# KiCad board tc2-panelized.kicad_pcb (continued)
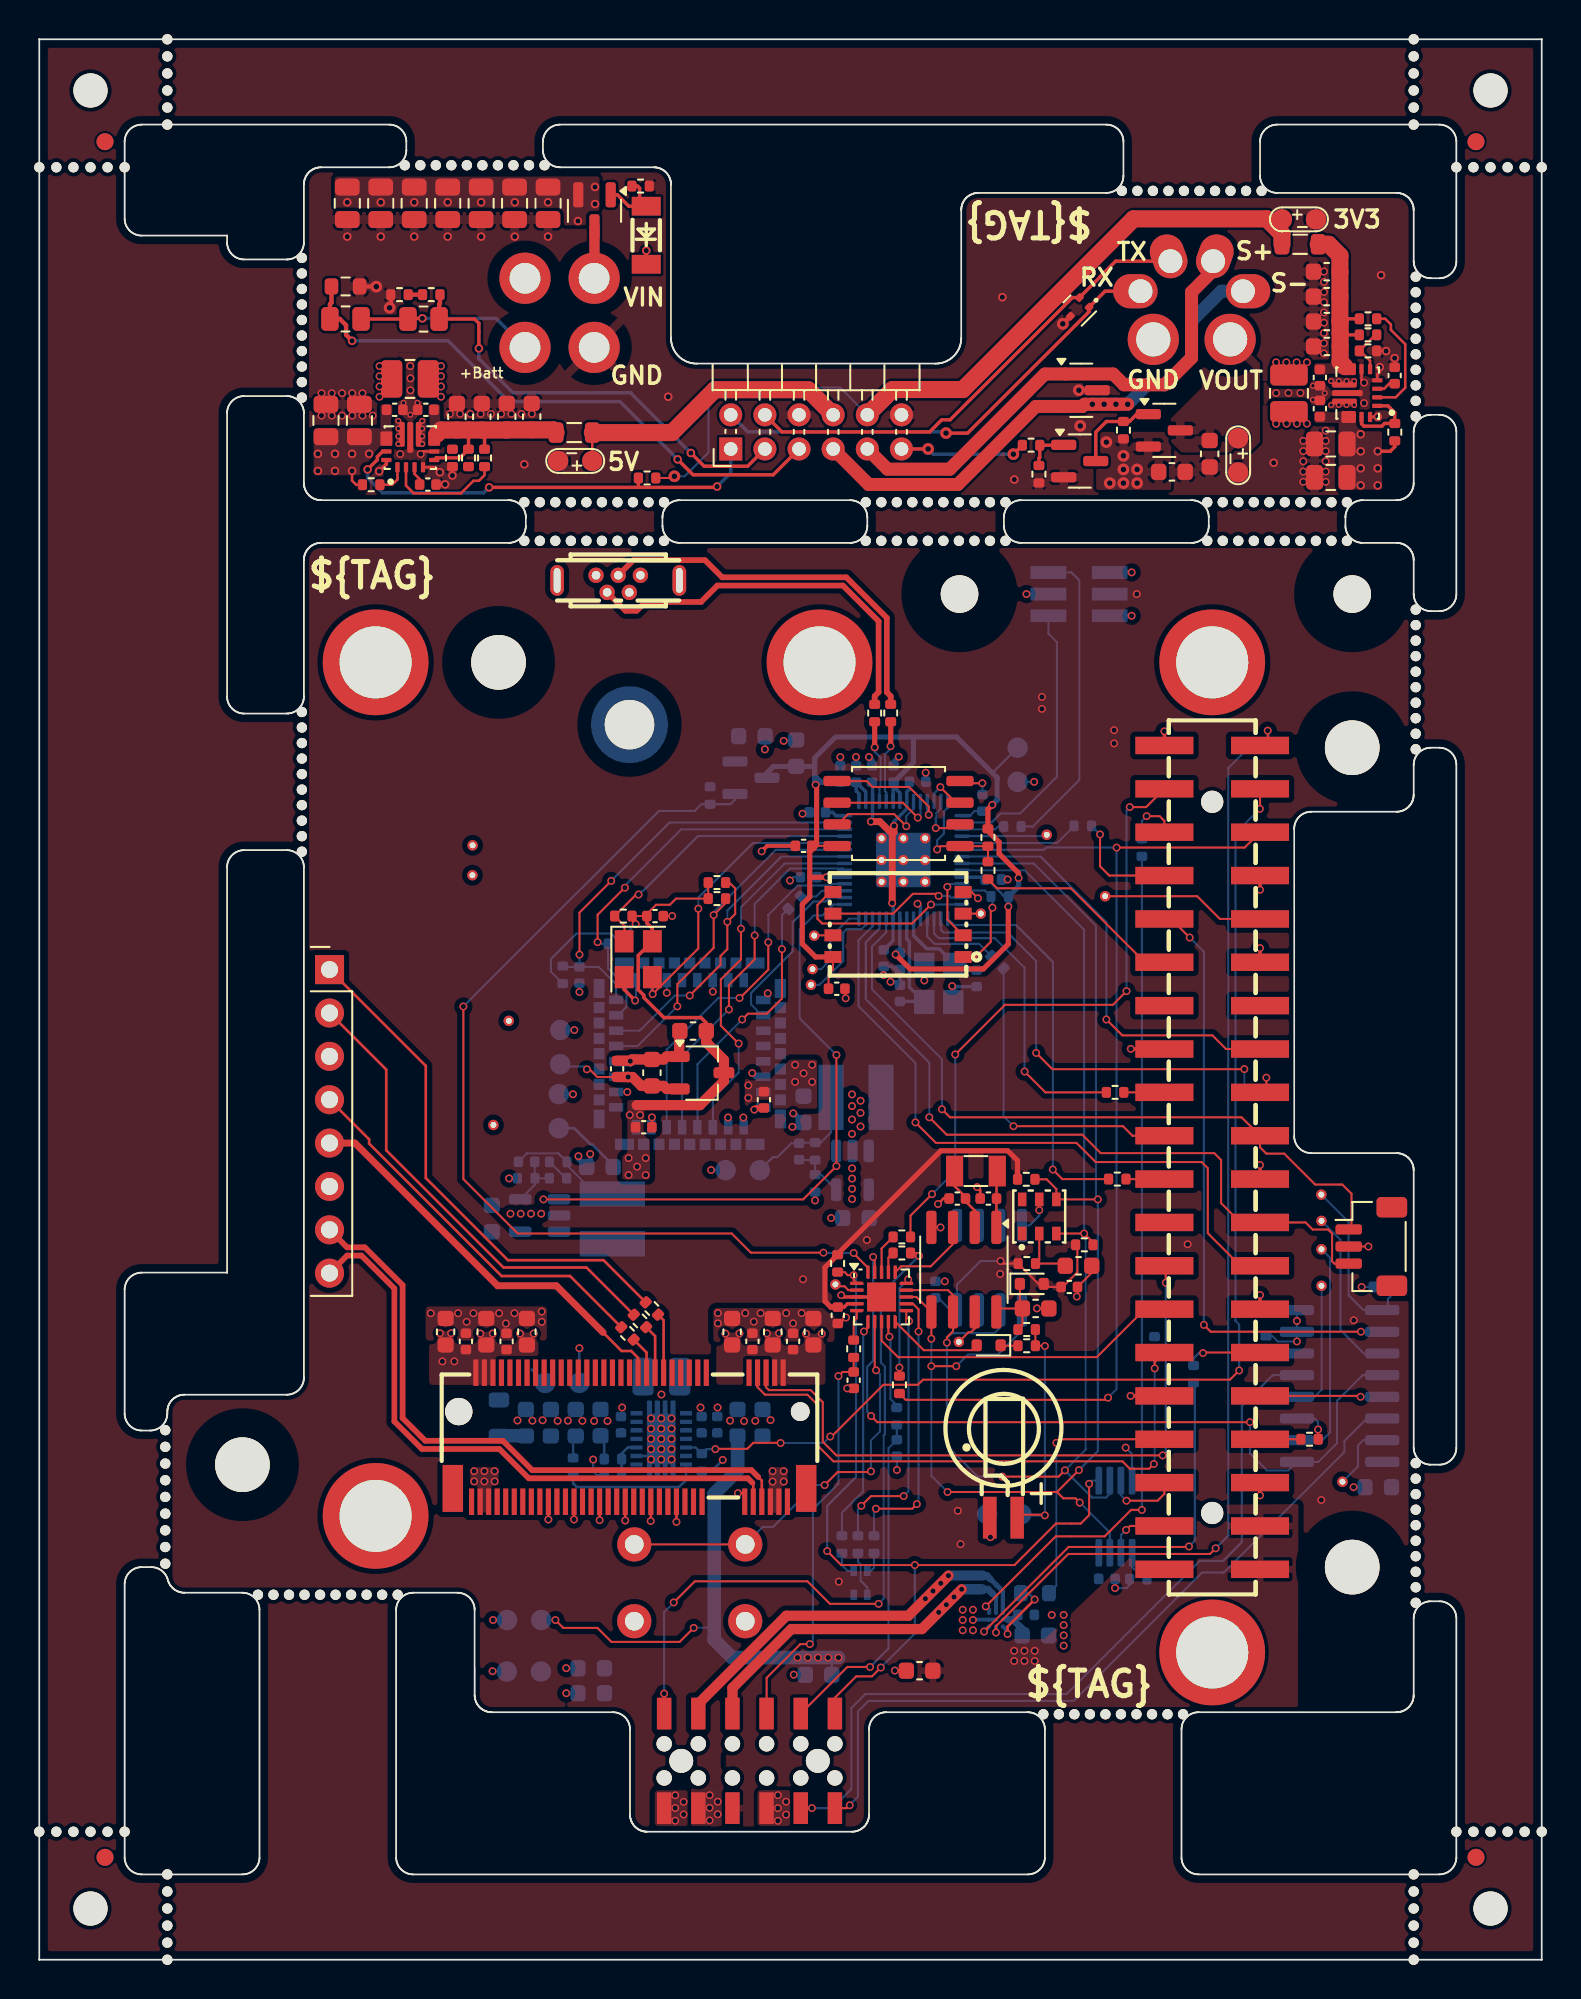
[diagram p0: board, top side]
## Routing (per net, layer and track width the routed paths; a pad name or vN(x,y) marks a point on that pad's centre or on a via; arc(x,y) is an arc through that point) (continued)
Board_1-Net-(Q1-G): length 5.2
  Top w0.2: Board_1-Q1.1 64.28,90.54 63.85,90.11 Board_1-R1.1 62.5,90.11 61.88,89.49 61.88,87.79
Board_1-Net-(Q3-G): length 2.6
  Top w0.2: Board_1-R3.2 58.55,87.96 58.6,88.01 Board_1-R2.2 59.98,88.72 Board_1-Q3.1
Board_1-Net-(R10-Pad1): length 0.8
  Top w0.254: Board_1-R8.2 Board_1-R10.1
Board_1-Net-(U1-EN): length 4.3
  Top w0.2: Board_1-U1.14 77.44,89.97 77.59,89.84 78.63,89.84 78.8,90 79.38,90 79.38,90.63 79,91.03 Board_1-U1.1
Board_1-Net-(U1-FB): length 2.8
  Top w0.15: Board_1-R11.2 78.25,95.19 Board_1-R13.1 77.37,94.25 77.94,93.66 Board_1-U1.5
Board_1-Net-(U1-PG): length 6.9
  Top w0.15: Board_1-U1.2 79.44,91.53 80,92.09 80,94.63 79.16,95.47 79.16,95.8 78.84,96.12 Board_1-R14.2
Board_1-Net-(U1-Vaux): length 1.1
  Top w0.15: Board_1-U1.3 78.77,92.03 79.06,92.33 Board_1-C12.1
Board_1-Net-(U2-PG): length 6.8
  Top w0.15: Board_1-R18.2 26.08,86.97 25.75,86.63 25.43,86.63 24.7,85.9 21.93,85.9 21.48,86.35 Board_1-U2.2
Board_1-Net-(U2-PS/SYNC): length 1.9
  Top w0.15: Board_1-R16.2 20.67,86.41 20.98,86.72 Board_1-U2.1
Board_1-Net-(U2-Vaux): length 1.1
  Top w0.15: Board_1-C21.1 22.28,86.73 21.98,87.03 Board_1-U2.3
Board_1-OUT_RX: length 27.7
  Top w0.2: Board_1-J2.2 62.43,97.74 Board_1-D2.1 61.49,96.55 54.37,89.43 v2(53.11,89.43)
  Bottom w0.2: 40.73,90.27 41.5,89.5 53.04,89.5 v2(53.11,89.43)
Board_1-OUT_TX: length 28.3
  Top w0.2: Board_1-J3.4 43.5,89.5 52.15,89.5 52.86,90.21 53.35,90.21 60.51,97.37 Board_1-D2.2 62.11,98.56 62.11,98.57 63.04,99.5 Board_1-J2.3
Board_1-SPEAKER_+: length 30.5
  Top w0.2: Board_1-J3.9 48.96,88.5
  Top w0.762: Board_1-J3.9 49.68,87.32 53.33,87.32 58.9,92.89 Board_1-D3.1 62.9,92.89 63.53,92.26 65.91,92.26 67.49,93.84 67.49,97.69 68.75,98.95 Board_1-J2.4 ; 68.8,99.33 68.8,100.5
Board_1-SPEAKER_-: length 32.9
  Top w0.762: Board_1-J3.7 48.58,86.42 53.8,86.42 58.37,90.99 Board_1-D3.2 61.09,90.99 61.22,91.12 v2(61.68,91.12) v2(62.37,91.12) v2(63.06,91.12) v2(63.75,91.12)
  Bottom w0.762: Board_1-J2.5 69.24,97.74 67.49,95.99 67.49,93.84 65.91,92.26 64.89,92.26 v2(63.75,91.12) v2(61.68,91.12)
Board_1-VCC: length 3.5
  Top w0.15: Board_1-R16.1 18.56,86.41 18.32,86.65 v3(18.32,87.22)
  Top w0.2: v3(78.4,88.37) 79.12,88.37 79.4,88.63 Board_1-R12.1 ; Board_1-D1.1 v3(35.55,100.12)
  vias: v2(62.5,88.9) v2(62.7,86.5) v2(63.5,88.1) v2(63.5,87.3) v2(63.5,86.5) v2(64.3,87.3) v2(64.3,86.5) v3(16.32,88.22) v3(16.32,87.22) v3(17.32,88.22) v3(17.32,87.22) v3(18.04,102.95) v3(18.32,88.22) v3(19.32,88.22) v3(20,102.95) v3(21.96,102.95) v3(23.92,102.95) v3(25.88,102.95) v3(27.85,102.95) v3(29.8,102.95) v3(31.55,101.85) v3(32.55,103.85) v3(32.55,102.85) v3(77.4,89.37) v3(77.4,88.37) v3(77.4,87.37) v3(77.4,86.37) v3(78.4,87.37) v3(78.4,86.37)

## Copper pours and planes (outline as drawn; the poured copper is in the pictures)
Board_0-/modem/3V3_L1 on Bottom: 38.23,31.38 37.52,31.38 37.52,32.67 37.23,32.98 36.83,32.98 36.83,35.48 38.23,35.48
Board_0-/modem/3V3_L2 on Bottom: 34.63,31.38 35.34,31.38 35.34,32.67 35.64,32.97 36.04,32.97 36.04,35.47 34.63,35.47
Board_1-/3V3_L1 on Top: 77.17,91.45 77.17,90.85 75.5,90.85 75.5,91.45
Board_1-/3V3_L1 on Bottom: 77.19,89.85 77.19,91.45 71.89,91.45 71.89,89.85
Board_1-/3V3_L2 on Top: 77.17,92.7 77.17,92.1 75.5,92.1 75.5,92.7
Board_1-/3V3_L2 on Bottom: 77.19,92.1 77.19,93.7 71.89,93.7 71.89,92.1
Board_1-/3V3_PHY on Top: 77.12,92.83 77.12,93.53 74.69,93.53 74.69,92.83
Board_1-/5V_L1 on Top: 21.41,88.62 20.81,88.62 20.81,90.34 21.41,90.34
Board_1-/5V_L1 on Bottom: 19.81,88.62 21.41,88.62 21.41,93.91 19.81,93.91
Board_1-/5V_L2 on Top: 22.66,88.62 22.06,88.62 22.06,90.34 22.66,90.34
Board_1-/5V_L2 on Bottom: 22.06,88.62 23.66,88.62 23.66,93.91 22.06,93.91
Board_1-/5V_PHY on Top: 22.78,88.69 23.48,88.69 23.48,91.12 22.78,91.12
(no net) on Top: 36.09,85 28.91,85 28.91,83.5 36.09,83.5
(no net) on Top: 0.5,0.5 87.5,0.5 87.5,112 0.5,112 ; 1 cut-out
(no net) on Top: 56.09,85 48.91,85 48.91,83.5 56.09,83.5
(no net) on Top: 76.09,85 68.91,85 68.91,83.5 76.09,83.5
(no net) on Bottom: 76.09,85 68.91,85 68.91,83.5 76.09,83.5
(no net) on Bottom: 56.09,85 48.91,85 48.91,83.5 56.09,83.5
(no net) on Bottom: 36.09,85 28.91,85 28.91,83.5 36.09,83.5
(no net) on Bottom: 0.5,0.5 87.5,0.5 87.5,112 0.5,112 ; 1 cut-out
(no net) on In1.Cu: 56.09,85 48.91,85 48.91,83.5 56.09,83.5
(no net) on In1.Cu: 0.5,0.5 87.5,0.5 87.5,112 0.5,112 ; 1 cut-out
(no net) on In1.Cu: 36.09,85 28.91,85 28.91,83.5 36.09,83.5
(no net) on In1.Cu: 76.09,85 68.91,85 68.91,83.5 76.09,83.5
(no net) on In2.Cu: 76.09,85 68.91,85 68.91,83.5 76.09,83.5
(no net) on In2.Cu: 0.5,0.5 87.5,0.5 87.5,112 0.5,112 ; 1 cut-out
(no net) on In2.Cu: 56.09,85 48.91,85 48.91,83.5 56.09,83.5
(no net) on In2.Cu: 36.09,85 28.91,85 28.91,83.5 36.09,83.5
Board_0-+1V2 on Top: 45.57,49.86 41.32,49.87 41.32,51.63 42.87,51.63 43.97,52.73 45.57,52.73
Board_0-+1V2 on Bottom: 47.28,48.49 43.98,48.49 43.98,52.69 47.28,52.69
Board_0-+1V2 on Bottom: 42.87,51.11 42.02,51.11 41.82,51.31 41.42,51.31 41.42,50.31 41.82,50.31 42.07,50.56 42.87,50.56
Board_0-+3V0 on Top: 34.44,50.36 34.44,47.31 34.14,47.04 34.14,45.71 35.77,45.71 35.77,47.99 35.44,48.29 35.44,50.36
Board_0-+3V0 on Bottom: 35.24,48.34 35.24,49.19 35.44,49.39 35.44,49.74 34.44,49.74 34.44,49.39 34.64,49.19 34.64,48.34
Board_0-+3V0 on Bottom: 31.54,44.04 35.74,44.04 35.74,47.34 31.54,47.34
Board_0-+3V3 on Top: 38.07,10.23 40.07,10.23 40.07,7.84 38.07,7.84
Board_0-+3V3 on Top, Bottom: 80.7,7 7.7,7 7.7,83 80.7,83
Board_0-+3V3 on Bottom: 48.03,42.82 48.03,45.92 49.19,45.92 49.19,42.82
Board_0-+3V3 on Bottom: 25.88,43.23 28.98,43.23 28.98,42.03 25.88,42.03
Board_0-+3V3_rp2040 on Bottom: 54.48,68.29 46.74,68.29 46.74,60.55 54.48,60.55
Board_0-+3V8 on Top: 46.05,33.68 39.65,33.68 39.65,36.98 46.05,36.98
Board_0-+3V8 on Top: 29.23,33.67 22.83,33.67 22.83,36.97 29.23,36.97
Board_0-+3V8 on Bottom: 45.71,34.99 29.43,34.99 27.53,32.99 27.53,32.33 26.33,32.33 26.33,32.99 24.73,34.54 23.73,34.54 22.83,35.49 22.83,37.49 45.71,37.49
Board_0-+5V on Top: 40.26,7 40.19,14.58 43.93,18.78 58.86,18.77 67.13,26.64 73.75,26.69 73.7,8
Board_0-+5V on Bottom: 56.8,19.47 58.6,19.47 58.6,17.2 56.8,17.19
Board_0-+5V on Bottom: 37.32,31.14 43.04,31.14 43.04,29.95 40.28,29.95 39.88,30.35 37.32,30.35
Board_0-/Lepton/SW_1V2 on Bottom: 48.14,46.57 48.13,52.56 50.18,52.56 50.18,48.46 49.03,47.31 49.03,46.57
Board_0-/Lepton/SW_3V0 on Bottom: 29.65,43.07 35.66,43.07 35.66,41.07 31.36,41.07 30.36,42.07 29.66,42.07
Board_0-/modem/MODEM_3V8 on Bottom: 35.47,31.14 27.91,31.14 27.91,30.05 28.01,29.95 33.51,29.95 33.91,30.35 36.27,30.35
Board_0-GND on Top: 29.73,38.27 22.63,38.27 22.63,36.27 29.73,36.27
Board_0-GND on Top: 46.58,38.18 39.48,38.18 39.48,36.18 46.58,36.18
Board_0-GND on Top: 42.06,9.94 44.06,9.94 44.06,7.84 42.06,7.84
Board_0-GND on Top: 36.05,9.93 38.05,9.93 38.05,7.83 36.05,7.83
Board_0-GND on Top: 42.73,26.18 43.83,26.18 43.83,28.85 42.73,28.85
Board_0-GND on Top: 25.24,26.2 26.9,26.2 26.9,28.85 25.24,28.85
Board_0-GND on Bottom: 34.54,31.2 27.84,31.2 27.84,32.9 34.54,32.9
Board_0-GND on Bottom: 48.42,43.12 47.02,43.12 47,52.68 48.4,52.68
Board_0-GND on Bottom: 31.1,43.2 25.9,43.2 25.9,44.8 31.2,44.8
Board_0-GND on Bottom: 55.88,20.8 55.88,19 53.78,19 53.78,20.8
Board_0-GND on Bottom: 36.81,35.45 36.11,35.45 36.11,33.05 35.51,32.45 35.51,31.45 37.41,31.45 37.41,32.45 36.81,33.05
Board_0-GND on Bottom: 57.8,20.7 60.34,20.7 60.34,18.12 58.9,18.12 58.9,19.7 57.8,19.8
Board_0-GND on Bottom: 43.08,31.18 38.28,31.18 38.28,32.78 43.08,32.78
Board_0-GND on In1.Cu, In2.Cu: 80.7,83 7.7,83 7.7,7 80.7,7
Board_1-GND on Top: 21.91,88.69 21.91,90.02 22.44,90.55 22.44,94.16 21.02,94.16 21.02,90.55 21.55,90.02 21.55,88.69 20.9,88.45 20.9,87.97 22.58,87.97 22.58,88.45
Board_1-GND on Top: 77.12,91.95 75.78,91.95 75.25,92.48 71.64,92.48 71.64,91.06 75.25,91.06 75.78,91.59 77.12,91.59 77.34,90.94 77.83,90.94 77.83,92.62 77.34,92.62
Board_1-GND on Top, Bottom, In1.Cu: 80.5,105.5 80.5,85.5 15.5,85.5 15.5,105.5
Board_1-VCC on Top: 16.07,89.72 20.77,89.72 20.77,86.97 16.07,86.97
Board_1-VCC on Top: 17.3,104.45 32.8,104.45 32.8,102.6 17.3,102.6
Board_1-VCC on Top: 78.65,90.77 78.65,86.12 76.09,86.12 76.09,90.77
Board_1-VCC on Top: 61.9,89.5 66.3,89.5 66.3,86.1 61.9,86.1
Board_1-VCC on Top: 77.12,90.03 77.12,90.72 74.69,90.72 74.69,90.03
Board_1-VCC on Top: 19.98,88.69 20.68,88.69 20.68,91.12 19.98,91.12
Board_1-VCC on Top: 32.8,104.45 29.3,104.45 29.3,101.6 32.8,101.6
Board_1-VCC on In2.Cu: 80.5,105.5 80.5,85.5 15.5,85.5 15.5,105.5
Board_1-VOUT on Top: 65.9,89.3 66.9,88.3 70.9,88.3 71.5,88.9 71.5,94.9 70.7,95.7 69.1,95.7 68.1,94.7 68.1,92.1 65.9,89.9

## Text on the board
B.Silkscreen: 3V0 | 2V8 | 3V3 | 5V0 | 3V8 | 1V2 | ${TAG}
F.Silkscreen: +Batt | 5V | GND | VIN | RX | TX | VOUT | S+ | S- | 3V3 | ${TAG}
